# Altium PCB WatchPCB.PcbDoc
Units mil, origin at the board's own origin, x right, y up, seen from the top; angles counter-clockwise.
Board outline 1415 x 1420 mil, 2 copper layers (Top Layer, Bottom Layer); 65 components, 37 nets, 259 pads, 76 vias.
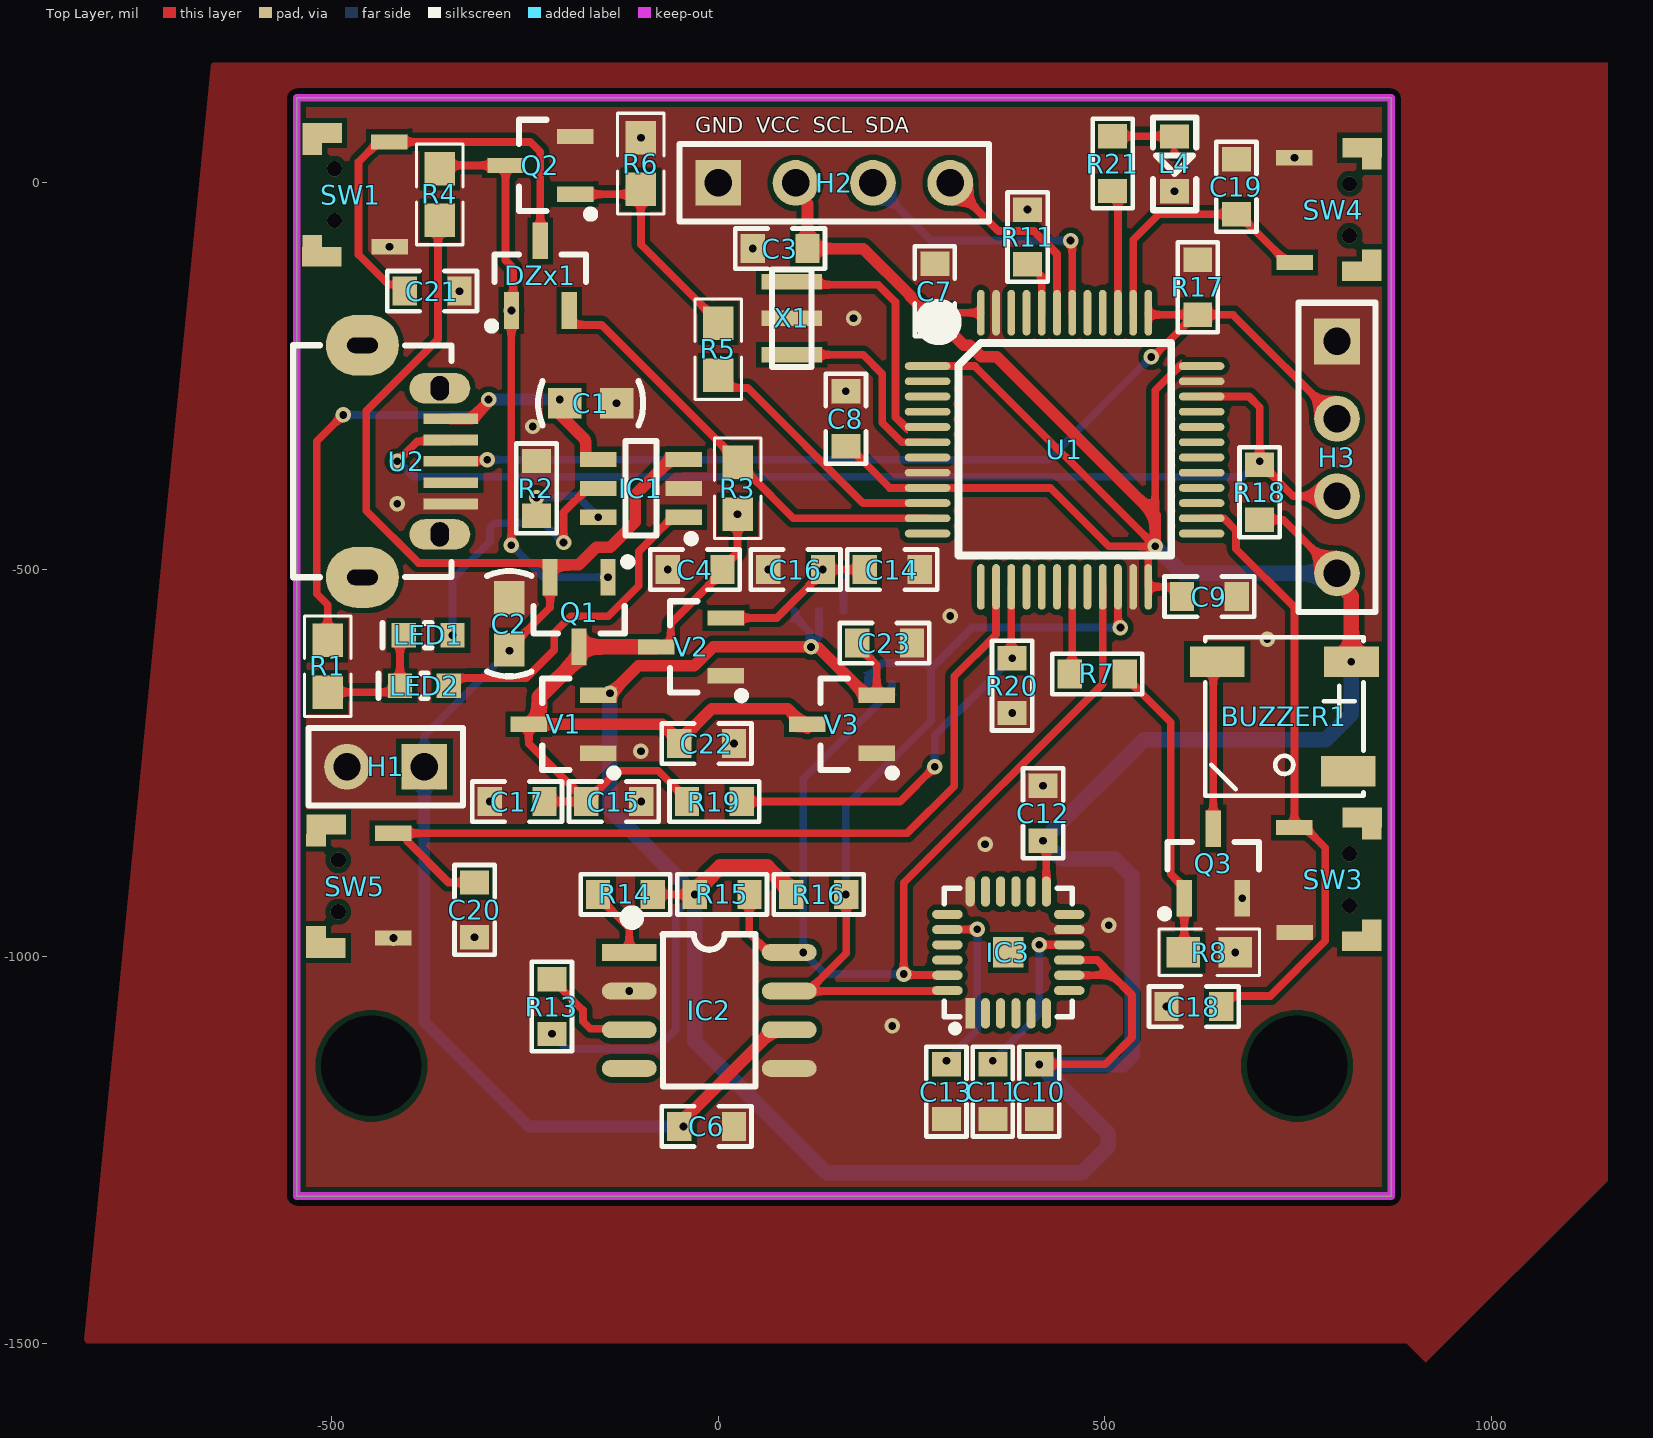
[diagram p0: Top Layer view]
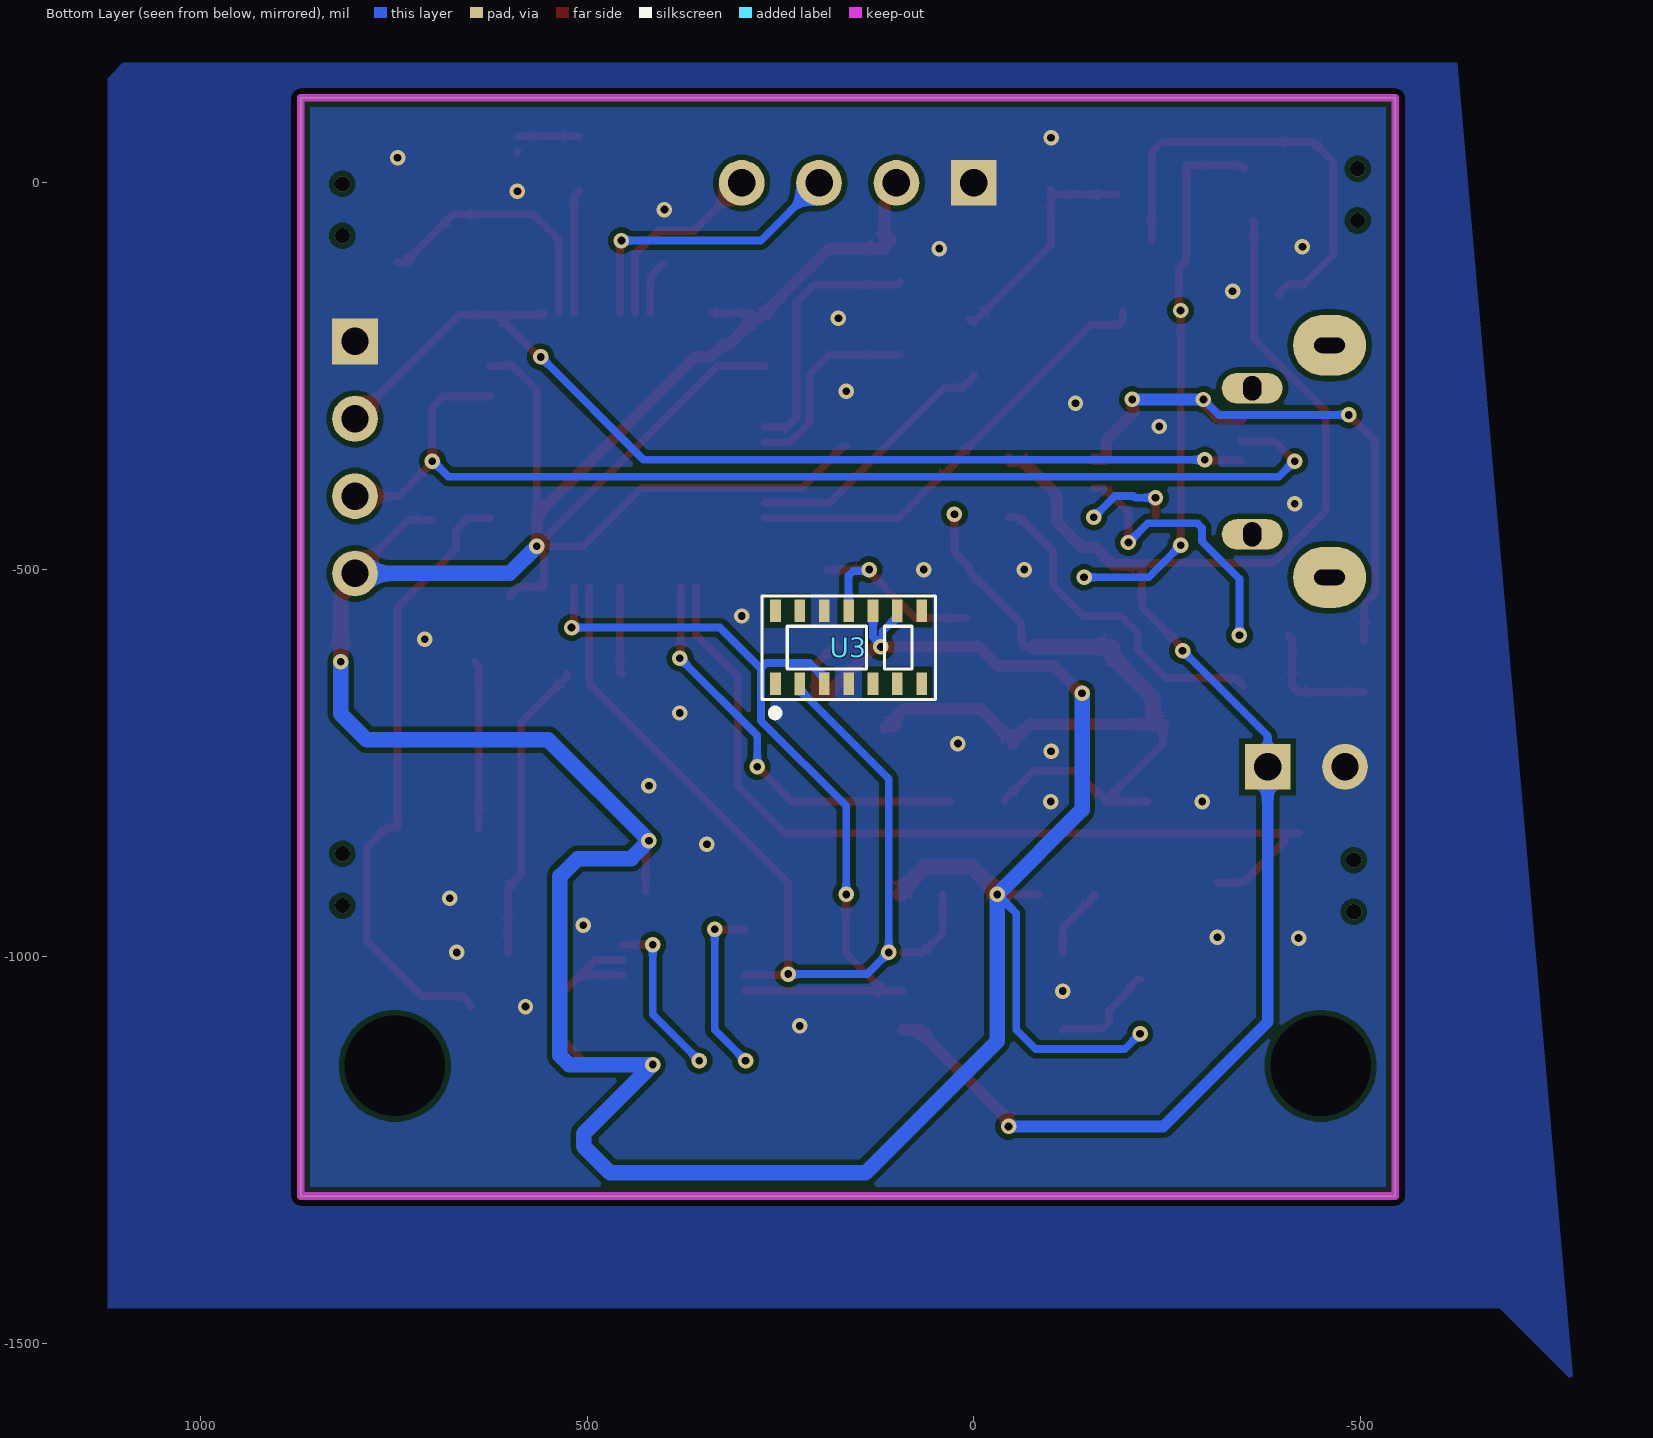
[diagram p1: Bottom Layer view, seen from below]
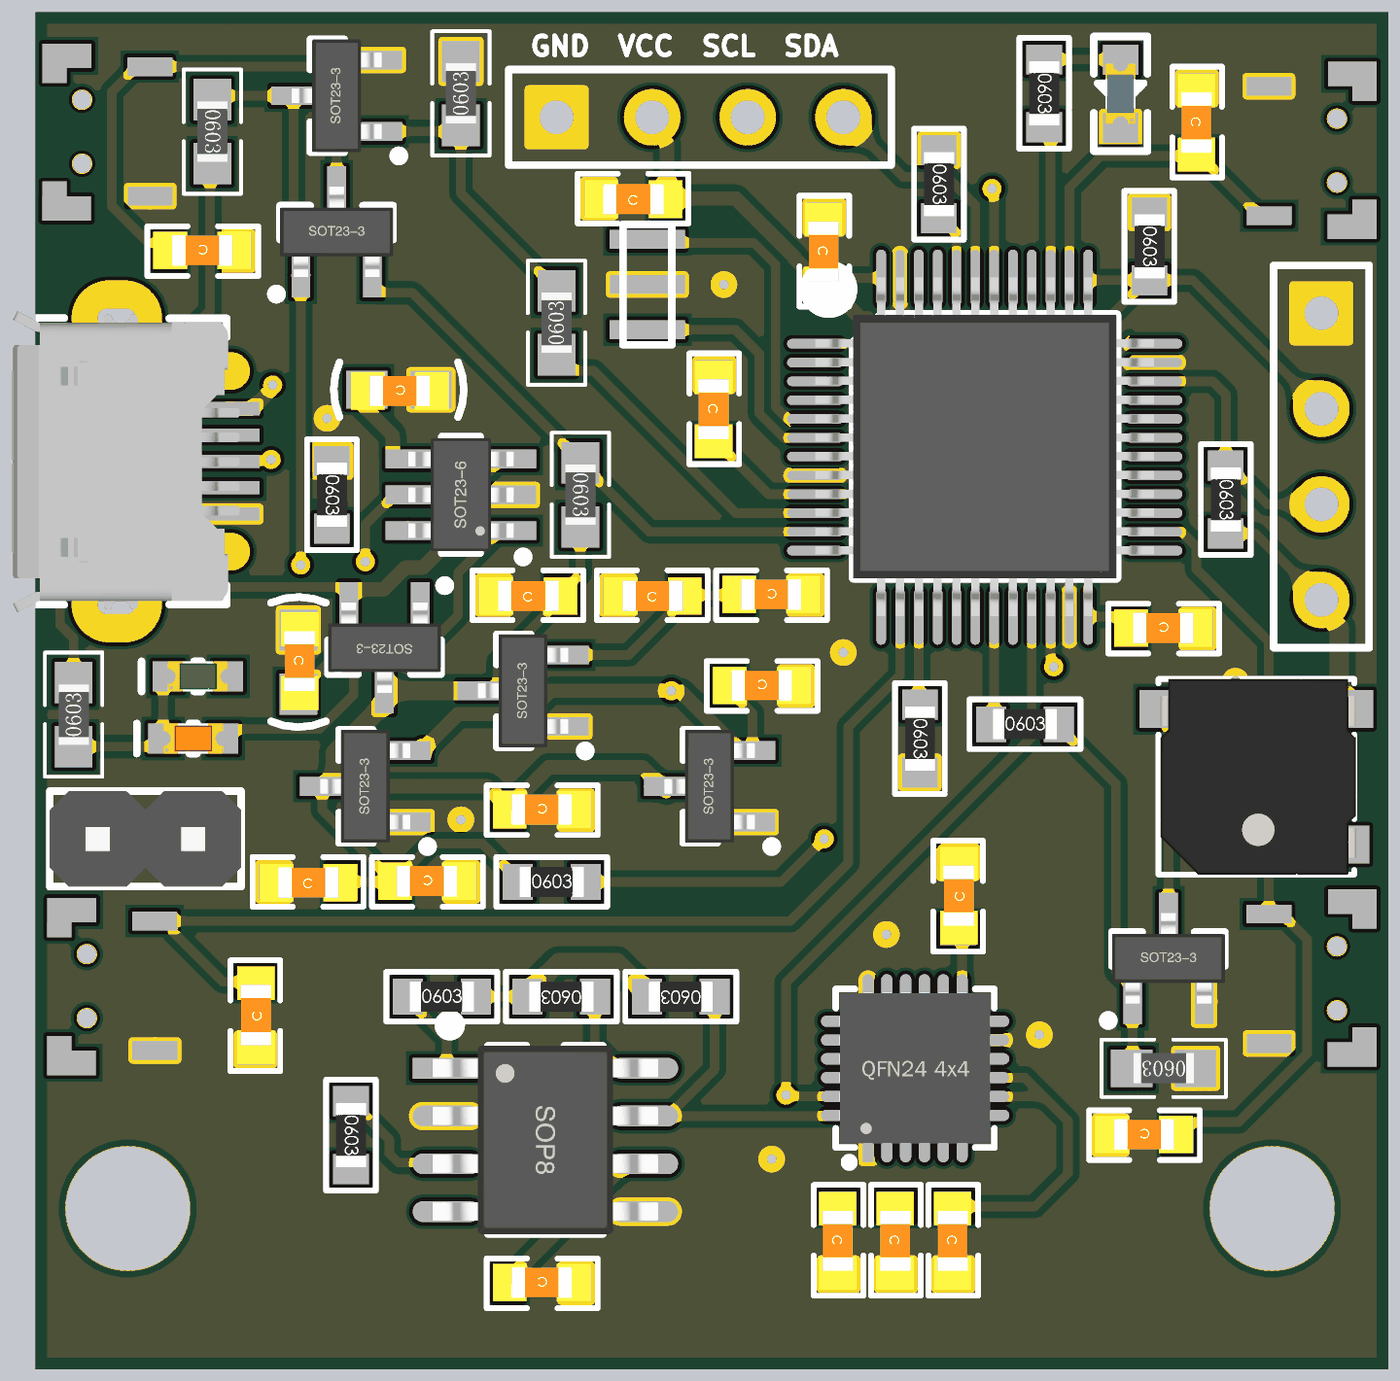
[diagram p2: 3D render of the assembled board from above, using the file's embedded part models]

## Layer stack, top to bottom
Top Solder: solder mask 0.4, Solder Resist, Dk 3.5
Top Layer: signal copper 1.4
Dielectric 1: dielectric 12.6, FR-4, Dk 4.8
Bottom Layer: signal copper 1.4
Bottom Solder: solder mask 0.4, Solder Resist, Dk 3.5

## Board outline
-545,-1310 870,-1310 870,110 -545,110

## Design rules (kind name [scope] priority, off if disabled: settings)
Clearance [All] p1: gap=7 ignorepadtopadclearanceinfootprint=TRUE
PlaneConnect [All] p1: planeconnectstyle=Direct reliefexpansion=20 reliefentries=4 reliefconductorwidth=10 reliefairgap=10
PolygonConnect [All] p1: connectstyle=Direct reliefconductorwidth=10 reliefentries=4 polygonreliefangle="90 Angle" airgapwidth=10
RoutingVias [All] p1: holewidth=10 width=20 viastyle="Through Hole" minholewidth=10 minwidth=20 maxholewidth=10 maxwidth=20
SolderMaskExpansion [All] p1: expansion=4 istentingtop=FALSE
Width [All] p1: maxlimit=50 minlimit=10 preferedwidth=10 minimp=50.000000 maximp=50.000000 favimp=50.000000
29 further rules are at their usual default settings.

## Classes and differential pairs
component class power: BUZZER1 C1 C2 C3 C4 C21 C22 C23 DZx1 H1 IC1 LED1 LED2 Q1 Q2 Q3 R1 R2 R3 R4 R5 R6 R7 R8 R19 R20 SW1 U2 V1 V3
component class MCU: C6 C7 C8 C9 C10 C11 C12 C13 C14 C15 C16 C17 C18 C19 C20 H2 H3 IC2 IC3 L4 R11 R13 R14 R15 R16 R17 R18 R21 SW3 SW4 SW5 U1 U3 V2 X1

## Components (designator, comment, footprint, x,y, rotation, side; value= is the part's Value field where it differs from the comment)
BUZZER1 "Beep-5020" 5020BUZZER 730,-690 r90 top
C1 "105" C0603 -165,-285 r180 top
C2 "105" C0603 -270,-570 r270 top
C3 "104" C_0603 80,-85 r0 top
C4 "104" C_0603 -30,-500 r0 top
C6 "104" C_0603 -15,-1220 r180 top
C7 "104" C_0603 280,-140 r270 top
C8 "104" C_0603 165,-305 r270 top
C9 "104" C_0603 635,-535 r180 top
C10 "104" C_0603 415,-1175 r270 top
C11 "104" C_0603 355,-1175 r270 top
C12 "104" C_0603 420,-815 r90 top
C13 "222" C_0603 295,-1175 r270 top
C14 "104" C_0603 225,-500 r180 top
C15 "104" C_0603 -135,-800 r180 top
C16 "106" C_0603 100,-500 r0 top
C17 "106" C_0603 -260,-800 r0 top
C18 "104" C_0603 615,-1065 r180 top
C19 "104" C_0603 670,-5 r270 top
C20 "104" C_0603 -315,-940 r90 top
C21 "104" C_0603 -370,-140 r180 top
C22 "104" C_0603 -15,-725 r180 top
C23 "104" C_0603 215,-595 r180 top
DZx1 "BAT54C" SOT23-3N -230,-120 r0 top
H1 "BAT" H_Header_1X2 -380,-755 r180 top
H2 "OLED" H_Header_1X4 265.75,-9.84 r180 top locked
H3 "H_Header_1X4H" H_Header_1X4 790.16,-470.75 r90 top
IC1 "TP4057" SOT23-6N -100,-395 r90 top
IC2 "DS3231-8PIN" SOP8_N -11.65,-1070 r0 top
IC3 "MPU6050" "QFN24 4x4_M" 375,-995 r0 top
L4 "Y_LED_B" Y_LED_0603_B 618,86.57 r270 top
LED1 "GREEN" D0603G -375,-585 r0 top
LED2 "RED" D0603R -380,-650 r0 top
Q1 "AO3401" SOT23-3N -180,-555 r180 top
Q2 "9014" SOT23-3N -230,22.6 r90 top
Q3 "SS8050" SOT23-3N 640,-880 r0 top
R1 "1k" R0603 -505,-625 r90 top
R2 "2K" R_0603 -235,-395 r270 top
R3 "10K" R0603 25,-395 r270 top
R4 "10K" R0603 -360,-15 r270 top
R5 "1K" R0603 0,-215 r90 top
R6 "10K" R0603 -100,25 r90 top
R7 "1K" R_0603 490,-635 r0 top
R8 "10K" R0603 635,-995 r180 top
R11 "10K" R_0603 400,-70 r270 top
R13 "4K7" R_0603 -215,-1065 r270 top
R14 "4K7" R_0603 -120,-920 r0 top
R15 "4K7" R_0603 5,-920 r180 top
R16 "4K7" R_0603 130,-920 r180 top
R17 "10K" R_0603 620,-135 r270 top
R18 "10K" R_0603 700,-400 r270 top
R19 "10K" R_0603 -5,-800 r0 top
R20 "10K" R_0603 380,-650 r270 top
R21 "1K" R_0603 510,25 r270 top
SW1 "2X4X3.5侧按键" 2X4X3.5贴片侧按开关 -660.04,-24.21 r90 top
SW3 "2X4X3.5侧按键" 2X4X3.5贴片侧按开关 980.04,-891.89 r270 top
SW4 "2X4X3.5侧按键" 2X4X3.5贴片侧按开关 980.04,-25.79 r270 top
SW5 "2X4X3.5侧按键" 2X4X3.5贴片侧按开关 -655.04,-918.11 r90 top
U1 "I_STM32F103C8T6" I_LQFP-48 270.67,-236.89 r0 top
U2 "H_USB_Mini" H_USB_Mini_A -495,-360 r270 top
U3 "MAX30102" OESIP-14_L5.6-W3.3-P0.80-TL 161.81,-600.39 r90 bottom locked
V1 "XC6206P332MR" SOT23-3N -200,-700 r90 top
V2 "PW6566" SOT23-3N -35,-600 r90 top
V3 "XC6206P332MR" SOT23-3N 160,-700 r90 top
X1 "8M" XTAL-3.2*1.3MM 95,-175 r270 top

## Footprints (in the part's own frame and the unit in brackets; to place one, negate y for a bottom-side part, rotate by r counter-clockwise, add the part's x,y. Pads: shape width x height; smd on the part's side, far side on the other; paste and mask are expansions set on the pad)
2X4X3.5贴片侧按开关 [mm]
  rect 0.5x1.2 smd: 1(-1.48,-5.97) 2(1.96,-5.96)
  rect 0.65x1.3 smd: ""(-1.81,-3.75) ""(2.25,-3.76)
  rect 0.4x0.65 smd: ""(-1.29,-3.43) ""(1.73,-3.43)
  body extent -2.08,-6.37 2.57,-2.07, height 1.9
5020BUZZER [mm]
  rect 1x1.8 smd: 1(1.8,-2.25) 2(1.8,2.152) 3(-1.8,-2.151)
  silkscreen extent -2.6,-2.65 2.6,2.55, body extent -2.6,-2.7 2.6,2.5, height 2
C0603 [mm]
  rect 1.1x1 smd: 1(-0.85,0) 2(0.85,0)
  silkscreen extent -1.73,-0.73 1.73,0.73, body extent -1.33,-0.47 1.27,0.53, height 0.89
C_0603 [mm] "贴片无极性电容0603封装"
  rect 0.8x0.95 smd: 1(-0.9,0) 2(0.9,0)
  silkscreen extent -1.47,-0.66 1.47,0.66, body extent -1.29,-0.52 1.31,0.48, height 0.89
D0603G [mm]
  rect 0.8x0.8 smd: 1(-0.8,0) 2(0.8,0)
  silkscreen extent -1.5,-0.4 0.1,0.4, body extent -0.8,-0.4 0.8,0.4, height 0.6
D0603R [mm]
  rect 0.8x0.8 smd: 1(-0.8,0) 2(0.8,0)
  silkscreen extent -1.5,-0.4 0.1,0.4, body extent -0.8,-0.4 0.8,0.4, height 0.6
H_Header_1X2 [mm] "单排2针排针"
  rect 1.5x1.5 hole 0.9: 1(0,0)
  round 1.5 hole 0.9: 2(2.54,0)
  silkscreen extent -1.27,-1.27 3.81,1.27, body extent -1.27,-1.27 3.81,1.27, height 8.54
H_Header_1X4 [mm] "单排4针排针"
  rect 1.5x1.5 hole 0.9: 1(6.75,-0.25)
  round 1.5 hole 0.9: 2(4.21,-0.25) 3(1.67,-0.25) 4(-0.87,-0.25)
  silkscreen extent -2.14,-1.52 8.02,1.02
H_USB_Mini_A [mm] "A型迷你USB接头"
  rect 0.35x1.8 smd: 1(-1.4,3.789) 2(-0.7,3.789) 3(0,3.789) 4(0.7,3.789) 5(1.4,3.789)
  oval 2x2.4 hole 0.508 slot 1.016 at 90 deg unplated: 6(-3.81,0.889) 6(3.81,0.889)
  oval 1x2 hole 0.6 slot 0.8 at 0 deg: 6(-2.4,3.429) 6(2.4,3.429)
  silkscreen extent -3.81,-1.4 3.81,3.81, body extent -3.99,-1.89 4.01,4.15, height 2.7
I_LQFP-48 [mm]
  oval 1.5x0.254 smd: 1(0,0) 2(0,-0.5) 3(0,-1) 4(0,-1.5) 5(0,-2) 6(0,-2.5) 7(0,-3) 8(0,-3.5) 9(0,-4) 10(0,-4.5) 11(0,-5) 12(0,-5.5) 25(9,-5.5) 26(9,-5) 27(9,-4.5) 28(9,-4) 29(9,-3.5) 30(9,-3) 31(9,-2.5) 32(9,-2) 33(9,-1.5) 34(9,-1) 35(9,-0.5) 36(9,0)
  oval 0.254x1.5 smd: 13(1.75,-7.25) 14(2.25,-7.25) 15(2.75,-7.25) 16(3.25,-7.25) 17(3.75,-7.25) 18(4.25,-7.25) 19(4.75,-7.25) 20(5.25,-7.25) 21(5.75,-7.25) 22(6.25,-7.25) 23(6.75,-7.25) 24(7.25,-7.25) 37(7.25,1.75) 38(6.75,1.75) 39(6.25,1.75) 40(5.75,1.75) 41(5.25,1.75) 42(4.75,1.75) 43(4.25,1.75) 44(3.75,1.75) 45(3.25,1.75) 46(2.75,1.75) 47(2.25,1.75) 48(1.75,1.75)
  silkscreen extent -0.02,-6.22 8,1.83, body extent 0,-7.24 9,1.76, height 1.5
OESIP-14_L5.6-W3.3-P0.80-TL [mm]
  rect 0.75x0.35 smd mask+0.05: 1(-1.2,2.4) 2(-1.2,1.6) 3(-1.2,0.8) 4(-1.2,0) 5(-1.2,-0.8) 6(-1.2,-1.6) 7(-1.2,-2.4) 8(1.2,-2.4) 9(1.2,-1.6) 10(1.2,-0.8) 11(1.2,0) 12(1.2,0.8) 13(1.2,1.6) 14(1.2,2.4)
  silkscreen extent -2.28,-2.86 1.69,2.84
"QFN24 4x4_M" [mm]
  rect 0.3x1 smd: 1(-1.25,-2)
  oval 0.3x1 smd: 2(-0.75,-2) 3(-0.25,-2) 4(0.25,-2) 5(0.75,-2) 6(1.25,-2) 13(1.25,2) 14(0.75,2) 15(0.25,2) 16(-0.25,2) 17(-0.75,2) 18(-1.25,2)
  oval 1x0.3 smd: 7(2,-1.25) 8(2,-0.75) 9(2,-0.25) 10(2,0.25) 11(2,0.75) 12(2,1.25) 19(-2,1.25) 20(-2,0.75) 21(-2,0.25) 22(-2,-0.25) 23(-2,-0.75) 24(-2,-1.25)
  rect 1x1 smd: 25(0,0)
  silkscreen extent -2.11,-2.6 2.11,2.11, body extent -2.01,-2.01 2.01,2.01, height 0.95
R0603 [mm]
  rect 1.1x1 smd: 1(-0.85,0) 2(0.85,0)
  silkscreen extent -1.65,-0.76 1.65,0.76, body extent -0.8,-0.4 0.8,0.4, height 0.45
R_0603 [mm] "贴片电阻0603封装"
  rect 0.8x0.95 smd: 1(-0.9,0) 2(0.9,0)
  silkscreen extent -1.47,-0.66 1.47,0.66, body extent -0.85,-0.4 0.85,0.4, height 0.53
SOP8_N [mm]
  rect 1.8x0.55 smd: 1(-2.625,1.905)
  oval 1.8x0.55 smd: 2(-2.625,0.635) 3(-2.625,-0.635) 4(-2.625,-1.905) 5(2.625,-1.905) 6(2.625,-0.635) 7(2.625,0.635) 8(2.625,1.905)
  silkscreen extent -2.69,-2.5 1.52,3.2, body extent -3,-2.5 3,2.5, height 1.9
SOT23-3N [mm]
  rect 0.5x1.2 smd: 1(-0.95,-1.143) 2(0.95,-1.143) 3(0,1.143)
  silkscreen extent -1.72,-1.78 1.5,0.7, body extent -1.5,-1.2 1.5,1.2, height 1.05
SOT23-6N [mm]
  rect 0.5x1.2 smd: 1(-0.95,-1.4) 2(0,-1.4) 3(0.95,-1.4) 4(0.95,1.4) 5(0,1.4) 6(-0.95,1.4)
  silkscreen extent -1.78,-1.78 1.55,0.51, body extent -1.5,-1.4 1.5,1.4, height 1.15
XTAL-3.2*1.3MM [mm]
  rect 0.5x2 smd: 1(-1.2,0) 2(0,0) 3(1.2,0)
  silkscreen extent -1.6,-0.65 1.6,0.65
Y_LED_0603_B [mm] "蓝色贴片0603LED"
  rect 0.8x0.95 smd: 1(0.675,-0.711) 2(2.475,-0.711)
  silkscreen extent 0.05,-1.42 3.1,0, body extent 0.77,-1.11 2.37,-0.31, height 0.6

## Part data
BUZZER1: "贴片蜂鸣器5020最小封装"
C1 C2: library part C, "无极性贴片电容", BOM名称=无极性贴片电容, 学习资源=www.ooocke.com, 版权归属=源创客
C3 C4 C6 C7 C8 C9 C10 C11 C12 C13 C14 C15 C16 C17 C18 C19 C20 C21 C22 C23: library part C_无极贴片, "无极性贴片电容"
DZx1: "双肖特基，共阴极"
H1: library part H_Header_1X2H, "单排2针排母", LatestRevisionDate=17-Jul-2002, LatestRevisionNote="Re-released for DXP Platform.", Publisher="Altium Limited"
H2: library part H_Header_1X4H, "单排4针排母", LatestRevisionDate=17-Jul-2002, LatestRevisionNote="Re-released for DXP Platform.", Publisher="Altium Limited"
H3: "单排4针排母", LatestRevisionDate=17-Jul-2002, LatestRevisionNote="Re-released for DXP Platform.", Publisher="Altium Limited"
IC1: library part TP4057/4059, "500mA/600mA锂电池充电管理IC"
IC3: "陀螺仪"
L4: "蓝色LED"
LED1 LED2: library part LED-SMD, "贴片LED", BOM名称=贴片LED, 学习资源=www.ooocke.com, 版权归属=源创客
Q1: library part SI2301, "P沟道场效应管", BOM名称=P沟道场效应管, 学习资源=www.ooocke.com, 版权归属=源创客
Q2: library part 9014-SMD, "低噪放大-NPN型", BOM名称=低噪放大-NPN型, 学习资源=www.ooocke.com, 属性="50V 0.1A 0.4W 150MHZ", 版权归属=源创客
Q3: library part 8050-SMD, "高频放大-NPN型", BOM名称=高频放大-NPN型, 学习资源=www.ooocke.com, 属性="40V 1.5A 1W 100MHZ", 版权归属=源创客
R1 R3 R4 R5 R6 R8: library part R, "贴片电阻", BOM名称=贴片电阻, 学习资源=www.ooocke.com, 版权归属=源创客
R2 R7 R11 R13 R14 R15 R16 R17 R18 R19 R20 R21: library part R_贴片, "贴片电阻"
U1: "LQFP-48"
U2: "MiniUSB头母头"
U3: library part MAX30101EFD+T, JLCPCB Part Class="Extended Part", Manufacturer=MAXIM(美信), Add into BOM=yes, Convert to PCB=yes, Datasheet=https://atta.szlcsc.com/upload/public/pdf/source/20221219/A83A6B2BE3828C2A438FF2EEAED7B281.pdf, Device=MAX30101EFD+T, LCSC Part Name=MAX30101EFD+T, Manufacturer Part=MAX30101EFD+T, Name=MAX30101EFD+T, Supplier=LCSC, Supplier Footprint=OESIP-14, Supplier Part=C2859066, Symbol=MAX30101EFD+T
V1 V3: "低压差线性稳压芯片", BOM名称=低压差线性稳压芯片, 学习资源=www.ooocke.com, 版权归属=源创客
V2: library part XC6206P332MR, "低压差线性稳压芯片", BOM名称=低压差线性稳压芯片, 学习资源=www.ooocke.com, 版权归属=源创客
X1: library part XTAL-3213-3P, "8~20M-3.2*1.3mm-3P"

## Free pads (board coordinates)
  round 0 hole 129.92: 2(748.43,-1141.73) 3(-448.43,-1141.73)

## Via types
v1: diameter 20, hole 10, Top Layer to Bottom Layer, 68 vias
v2: diameter 19.68, hole 19.68, Top Layer to Bottom Layer, 8 vias

## Nets (pads, with @x,y where several pads share a name; then routed paths per layer and width w, separated by ;. In a path a pad name is that pad's centre, name@x,y a point inside that pad or via, vN(x,y) a via of type N, cw(c..) or ccw(c..) an arc to the next point about the centre after c; other vN are vias at no path point)
1V8: C14.2 C16.2 U3.11 V2.2 | length 282.5
  Top Layer w10: V2.2 75.79,-562.6 135,-503.39 v1(135,-500) ; C16.2 C14.2
  Bottom Layer w10: v1(135,-500) 136.91,-501.91 155.95,-501.91 161.81,-507.77 U3.11
3V3: BUZZER1.1 C3.2 C7.2 C8.2 C9.2 C10.1 C12.1 C23.2 H2.2 H3.4 IC3.8 IC3.9 IC3.13 R13.2 R14.2 R15.2 R16.2 R18.2 U1.1 U1.9 U1.24 U1.36 U1.48 U3.9 U3.10 V1.2 V3.2 | length 6364.9
  Top Layer w10: R14.2 v1(-30.43,-920) ; H2.2@90.61,-9.39 H2.2 ; C3.2@104.68,-71.3 104.68,-74.25 C3.2 ; C8.2 167.95,-340.43 221.89,-394.37 429.37,-394.37 505,-470 v1(565,-470) ; C23.2@174.57,-600 C23.2 179.57,-597.95 205,-623.39 V3.2 ; U1.1 331.89,-236.89 v1(565,-470) ; C7.2 287.44,-167.99 U1.48 ; C10.1 500.43,-1139.57 535,-1105 535,-1050 509.53,-1024.53 ; v1(420,-850.43) 424.21,-854.65 IC3.13 ; IC3.8 509.53,-1024.53 ; IC3.9 489.84,-1004.84 509.53,-1024.53 ; 565,-430 565,-268.01 596.12,-236.89 U1.36 ; C9.2 599.57,-533.07 588.82,-522.32 U1.24 556.1,-480.48 565,-471.58 v1(565,-470) ; R18.2 730.43,-435.43 H3.4
  Top Layer w15: V1.2@-141.22,-662.6 -103.12,-624.5 -31.07,-624.5 -6.57,-600 v1(120,-600) 120.96,-600.96 129.58,-600.96 191.22,-662.6 V3.2 ; H2.2 100,-11.92 115.43,-27.35 C3.2 187.58,-85 248.64,-146.06 248.64,-147.03 277.05,-175.43 C7.2 282.95,-175.43 317.52,-210 325,-210 340,-225 360,-225 565,-430 v1(565,-470)
  Top Layer w20: v1(-30.43,-920) -30.43,-917.05 2.32,-884.3 63.22,-884.3 88.82,-909.9 88.82,-914.25 R16.2 ; H3.4 800,-515.57 818.59,-534.16 v1(818.59,-619.12)
  Bottom Layer w10: v1(-215,-1100) -195,-1120 -80,-1120 -55,-1095 -55,-944.57 v1(-30.43,-920) ; U3.9 98.82,-561.02 118.09,-580.29 118.09,-598.09 v1(120,-600) 120,-597.29 130.32,-586.97 U3.10
  Bottom Layer w20: v1(-140,-660) -140,-810.43 v1(-30.43,-920) -30.43,-1109.57 140,-1280 470,-1280 504.22,-1245.78 504.22,-1229.22 v1(415,-1140) 523.28,-1140 535,-1128.28 535,-896.72 511.86,-873.57 443.14,-873.57 v1(420,-850.43) 550.43,-720 785,-720 818.59,-686.41 v1(818.59,-619.12) ; v1(565,-470) 600,-505 H3.4
5V: C1.2 IC1.4 R1.2 U2.1 | length 768.8
  Top Layer w10: R1.2 -505,-545.52 -519.24,-531.28 -519.24,-334.24 v1(-485,-300)
  Top Layer w15: U2.1 -318.5,-304.88 -297.87,-284.25 -297.87,-281.06 v1(-296.91,-280.1) ; v1(-205,-280) -205,-289.57 -206.88,-291.45 -206.88,-297.19 -171.81,-332.26 -171.81,-334.69 -171.24,-335.26 -171.24,-355.26 -168.9,-357.6 IC1.4
  Bottom Layer w10: v1(-485,-300) -316.81,-300 v1(-296.91,-280.1)
  Bottom Layer w15: v1(-296.91,-280.1) -205.1,-280.1 v1(-205,-280)
ADC: R19.2 R20.1 U1.15 | length 542.7
  Top Layer w10: R19.2 235,-800 v1(280,-755) ; U1.15 378.94,-613.5 v1(380,-614.57)
  Bottom Layer w10: v1(280,-755) 280,-714.57 v1(380,-614.57)
BEEP: R7.1 U1.19 | length 114
  Top Layer w10: R7.1 457.68,-631.89 U1.19
CLK: H3.2 R17.2 U1.37 U2.3 | length 1343.5
  Top Layer w10: U2.3 -344.83,-359 -299.5,-359 v1(-298.5,-358) ; U1.37 556.1,-170.43 R17.2@617.05,-170.43 ; v1(560,-225) 562.48,-225 R17.2@617.05,-170.43 ; H3.2 665.43,-170.43 R17.2 R17.2@617.05,-170.43
  Bottom Layer w10: v1(-298.5,-358) 427,-358 v1(560,-225)
DIO: H3.3 R18.1 U1.34 U2.2 | length 1479.6
  Top Layer w10: v1(-415,-360) -389.33,-334.33 -347.72,-334.33 U2.2 ; U1.34 686.26,-276.26 700,-290 v1(700,-360) ; R18.1 702.95,-364.57 743.39,-405 H3.3
  Bottom Layer w10: v1(-415,-360) -414.14,-360 -394.14,-380 679.14,-380 699.14,-360 v1(700,-360)
GND: C1.1 C2.1 C3.1 C4.1 C6.1 C7.1 C8.1 C9.1 C10.2 C11.2 C12.2 C13.2 C14.1 C15.1 C16.1 C17.1 C18.2 C19.1 C20.1 C21.1 C22.1 C23.1 H1.2 H2.1 H3.1 IC1.2 IC2.2 IC2.5 IC3.1 IC3.11 IC3.18 L4.2 Q2.2 Q3.2 R2.1 R6.2 R8.1 R11.1 R17.1 R20.2 SW1.1 SW3.2 SW4.1 SW5.1 U1.8 U1.23 U1.35 U1.47 U2.5 U3.4 U3.12 V1.1 V2.1 V3.1 X1.2
  other v1: 225,-1090 579.57,-1065 -115,-1045 668.46,-995 -420,-976.38 -315,-975.43 505,-960 677.4,-925 345,-855 -295.43,-800 -99.57,-800 420,-779.57 -100,-735 20.43,-725 380,-685.43 710,-590 300,-560 -65.43,-500 64.57,-500 -415,-415 -240,-315 -131.54,-285 165,-269.57 175,-175 -334.57,-140 44.57,-85 -425,-82.48 400,-34.57 590,-10.87 745,32.48 -100,58.46
LED: R21.2 U1.39 | length 160.3
  Top Layer w10: R21.2 516.73,-17.17 U1.39
NetBUZZER1_2: BUZZER1.2 Q3.3 | length 218.1
  Top Layer w10: Q3.3 640,-624.38 BUZZER1.2
NetC11_1: C11.1 IC3.10 | length 213.7
  Top Layer w10: v1(415,-985) 415.16,-985.16 IC3.10
  Bottom Layer w10: v1(355,-1135) 415,-1075 v1(415,-985)
NetC13_1: C13.1 IC3.20 | length 225.5
  Top Layer w10: IC3.20 296.5,-965.24 334.76,-965.24 v1(335,-965)
  Bottom Layer w10: v1(295,-1135) 335,-1095 v1(335,-965)
NetC21_2: C21.2 DZx1.3 SW1.2 | length 579
  Top Layer w10: C21.2@-395.43,-145 -395.43,-142.05 -406.18,-131.3 -426.62,-131.3 -465,-92.92 -465,27.13 -439.17,52.95 SW1.2 -242.95,52.95 -230,40 DZx1.3
NetDZx1_1: DZx1.1 Q1.1 Q2.3 R4.1 | length 716.2
  Top Layer w10: R4.1@-350,18.46 -345.87,22.6 Q2.3 -275,-100 -265,-110 -265,-162.6 -268.7,-166.3 -267.47,-167.53 -267.47,-468.32 v1(-267.55,-468.39)
  Bottom Layer w10: v1(-267.55,-468.39) -267.55,-468.58 -226.13,-510 v1(-142.6,-510)
  other v1: -267.4,-165
NetIC1_1: IC1.1 LED2.2 | length 432.6
  Top Layer w10: LED2.2 -338.61,-640.11 -248.34,-640.11 -212.2,-603.97 -212.2,-581.76 -190.61,-560.18 -142.34,-560.18 -102.92,-520.76 -102.92,-476.66 -58.66,-432.4 IC1.1
NetIC1_5: IC1.5 LED1.2 | length 363.7
  Top Layer w10: v1(-200,-465) -200,-426.1 -168.9,-395 IC1.5
  Bottom Layer w10: v1(-343.5,-585) -343.5,-511.77 -295,-463.27 -295,-445.86 -289.14,-440 -225,-440 v1(-200,-465)
NetIC1_6: IC1.6 R2.2 | length 115.5
  Top Layer w10: R2.2 v1(-235,-407)
  Bottom Layer w10: v1(-235,-407) -208.41,-407 -206.41,-405 -182.52,-405 v1(-155.12,-432.4)
NetIC2_1: IC2.1 R14.1 | length 91.7
  Top Layer w10: R14.1 -155.43,-922.95 -115,-963.39 IC2.1
NetIC2_3: IC2.3 R13.1 | length 137.4
  Top Layer w10: R13.1 -212.05,-1029.57 -201.3,-1040.32 -201.3,-1043.27 -175,-1069.57 -175,-1084.14 -165.43,-1093.71 -116.29,-1093.71 IC2.3
NetL4_1: L4.1 R21.1 | length 80.2
  Top Layer w10: R21.1 L4.1@589.57,60.43 ; 589.57,40.43 590,40
NetLED1_1: LED1.1 LED2.1 R1.1 | length 164.1
  Top Layer w10: R1.1 -419.96,-658.46 LED2.1 -411.5,-590 LED1.1
NetQ2_1: Q2.1 R5.2 R6.1 | length 307.6
  Top Layer w10: Q2.1 -102.4,-14.8 R6.1@-100,-12.4 ; R6.1 R6.1@-100,-12.4 ; R5.2@5,-176.54 R5.2 0,-179.57 -100,-79.57 R6.1@-100,-12.4
NetQ3_1: Q3.1 R7.2 R8.2 | length 392.4
  Top Layer w10: R7.2 525.43,-637.95 585,-697.52 585,-893.62 602.6,-911.22 Q3.1 602.6,-993.94 R8.2
NetR11_2: R11.2 U1.44 | length 71.9
  Top Layer w10: R11.2 402.95,-105.43 418.31,-120.79 U1.44
NetU1_5: U1.5 X1.1 | length 340.7
  Top Layer w10: X1.1 98.84,-131.59 206.59,-131.59 229.14,-154.14 229.14,-302.99 241.79,-315.63 U1.5
NetU1_6: U1.6 X1.3 | length 259.3
  Top Layer w10: X1.3 187.24,-222.24 212.14,-247.14 212.14,-310.03 237.43,-335.31 U1.6
POWER_MODE: DZx1.2 R3.1 U1.11 | length 585
  Top Layer w10: DZx1.2 -192.6,-178.78 -187.76,-183.62 -150.94,-183.62 25,-359.57 R3.1 25,-363.5 39.69,-378.19 41.65,-378.19 97.2,-433.74 U1.11
POWER_ON: R5.1 U1.10 | length 340.4
  Top Layer w10: R5.1 0,-250.43 14.68,-265.12 38.27,-265.12 187.2,-414.06 U1.10
SCL: H2.3 U1.42 | length 381.2
  Top Layer w10: v1(455.47,-74.64) 455.47,-77.34 457.68,-79.55 U1.42
  Bottom Layer w10: H2.3 200.73,0 275.36,-74.64 v1(455.47,-74.64) v1@455.11,-75
SCL2: IC2.8 IC3.23 R15.1 U1.21 U3.2 | length 1312.8
  Top Layer w10: R15.1 40,-920.43 40,-970 65,-995 IC2.8 ; IC3.23 295.91,-1024.18 241.18,-1024.18 v1(240,-1023) 240,-905 497.05,-647.95 U1.21
  Bottom Layer w10: U3.2 224.8,-655.51 110,-770.31 v1(110,-995) 138,-1023 v1(240,-1023)
SDA: H2.4 U1.43 | length 252.1
  Top Layer w10: H2.4 362.32,-62.32 408.3,-62.32 437.99,-92.01 U1.43
SDA2: IC2.7 IC3.24 R16.1 U1.22 U3.3 | length 1109.2
  Top Layer w10: IC2.7 IC2.7@116.3,-1045 ; R16.1 165.43,-995.87 IC2.7@116.3,-1045 ; IC3.24 281.99,-1044.21 281.2,-1045 IC2.7@116.3,-1045 ; U1.22 516.73,-571.73 v1(520,-575)
  Bottom Layer w10: v1(165,-920) 165,-805.53 275.19,-695.33 275.19,-627.9 ; U3.3 193.31,-639.76 212.2,-620.87 268.16,-620.87 275.19,-627.9 ; v1(520,-575) 328.1,-575 275.19,-627.9
SW1: C18.1 SW3.1 U1.26 | length 809
  Top Layer w10: U1.26 653.88,-433.74 669.3,-449.16 669.3,-473.2 745,-548.9 SW3.1 758.78,-833.62 785,-859.84 785,-979.88 713.58,-1051.3 661.18,-1051.3 650.43,-1062.05 C18.1
SW2: C20.2 SW5.2 U1.14 | length 1152.1
  Top Layer w10: SW5.2 SW5.2@-406.61,-840.94 ; C20.2 -348.7,-904.57 -401.77,-851.5 -401.77,-845.79 SW5.2@-406.61,-840.94 ; U1.14 359.25,-583.9 305,-638.15 305,-780 244.06,-840.94 SW5.2@-406.61,-840.94
SW3: C19.2 SW4.2 U1.38 | length 345.3
  Top Layer w10: U1.38 536.42,-73.58 569.57,-40.43 C19.2 672.95,-40.43 726.77,-94.25 726.77,-98.11 731.61,-102.95 SW4.2
VBAT: C2.2 C6.2 H1.1 IC1.3 IC2.6 Q1.2 R4.2 | length 2175.6
  Top Layer w10: R4.2 -362.32,-50.78 -362.32,-202.32 -455,-295 -455,-423.98 -387.6,-491.38 -222.24,-491.38 -217.4,-496.22 Q1.2 -217.4,-548.9 -270,-601.5 C2.2
  Top Layer w15: Q1.2@-217.4,-496.22 -215.06,-493.88 -180.45,-493.88 -157.63,-471.06 -139.81,-471.06 -107.16,-438.41 -107.16,-403.31 -63.79,-359.94 -47.22,-359.94 IC1.3 ; C6.2 -50.43,-1217.05 65.81,-1100.8 65.81,-1098.07 68.89,-1095 IC2.6
  Bottom Layer w10: H1.1 -380,-715 v1(-270,-605)
  Bottom Layer w15: H1.1 -380,-1085 -245,-1220 v1(-45,-1220)
VBIN: C4.2 C15.2 C17.2 C22.2 Q1.3 R3.2 R19.1 V1.3 V2.3 V3.3 | length 1215.2
  Top Layer w10: V1.3 -245,-724.84 -183.54,-786.3 -181.18,-786.3 C15.2@-170.43,-797.05 ; C17.2 C15.2 C15.2@-170.43,-797.05 ; V2.3 -66.22,-600 -61.38,-595.16 -61.38,-569.76 5.43,-502.95 C4.2 5.43,-497.05 25,-477.48 v1(25,-428.46) ; R19.1 -40.43,-797.05 -77.48,-760 -130.43,-760 -156.73,-786.3 -159.68,-786.3 C15.2@-170.43,-797.05 ; V3.3@96.22,-700 101.22,-705 V3.3@115,-705
  Top Layer w15: V1.3 -231.54,-700 -72.48,-700 C22.2@-50.43,-722.05 ; C22.2 C22.2@-50.43,-722.05 ; V3.3@115,-705 90,-680 -8.39,-680 C22.2@-50.43,-722.05
  Top Layer w20: V1.3@-231.54,-700 -231.38,-699.84 -231.38,-664.84 -180,-613.46 Q1.3 V2.3
pads on no net: BUZZER1.3 IC2.4 IC3.2 IC3.3 IC3.4 IC3.5 IC3.6 IC3.7 IC3.12 IC3.14 IC3.15 IC3.16 IC3.17 IC3.19 IC3.21 IC3.22 IC3.25 SW1. SW3. SW4. SW5. U1.2 U1.3 U1.4 U1.7 U1.12 U1.13 U1.16 U1.17 U1.18 U1.20 U1.25 U1.27 U1.28 U1.29 U1.30 U1.31 U1.32 U1.33 U1.40 U1.41 U1.45 U1.46 U2.4 U2.6 U3.1 U3.5 U3.6 U3.7 U3.8 U3.13 U3.14
copper on no net:
  other v2: -491.26,-942.52 816.26,-934.41 -491.26,-875.59 816.26,-867.48 816.26,-68.31 -496.26,-48.62 816.26,-1.38 -496.26,18.31

## Polygon pours and split planes (outlines as drawn)
GND on Bottom Layer "GND_L02_P001" (solid, remove dead copper, pour order 1): -625,155 1100,155 1120,135 1120,-1455 -680,-1455 -775,-1550
GND on Top Layer "GND_L01_P000" (solid, remove dead copper, pour order 0): -655,160 -650,155 1150,155 1150,-1290 915,-1525 890,-1500 -820,-1500

## Keep-outs
Keep-Out Layer:
  the board outline again, w10

## Silkscreen, mask and mechanical layers (free items; w line width, h text height)
Top Overlay:
  text "GND  VCC  SCL  SDA" at -30,65 h20
Mechanical 1:
  lines w10: -546.85,-1309.06 -546.85,108.27 870.47,108.27 870.47,-1309.06 -546.85,-1309.06 ; -546.85,68.9 -546.85,68.9 ; 831.1,-1309.06 831.1,-1309.05